# Altium PCB MK66MUC.PcbDoc
Units mil, origin at the board's own origin, x right, y up, seen from the top; angles counter-clockwise.
Board outline 5142.08 x 3058.33 mil, 2 copper layers (Top Layer, Bottom Layer); 103 components, 100 nets, 478 pads, 0 vias.
Unrouted connection lines stored in the file: 267.
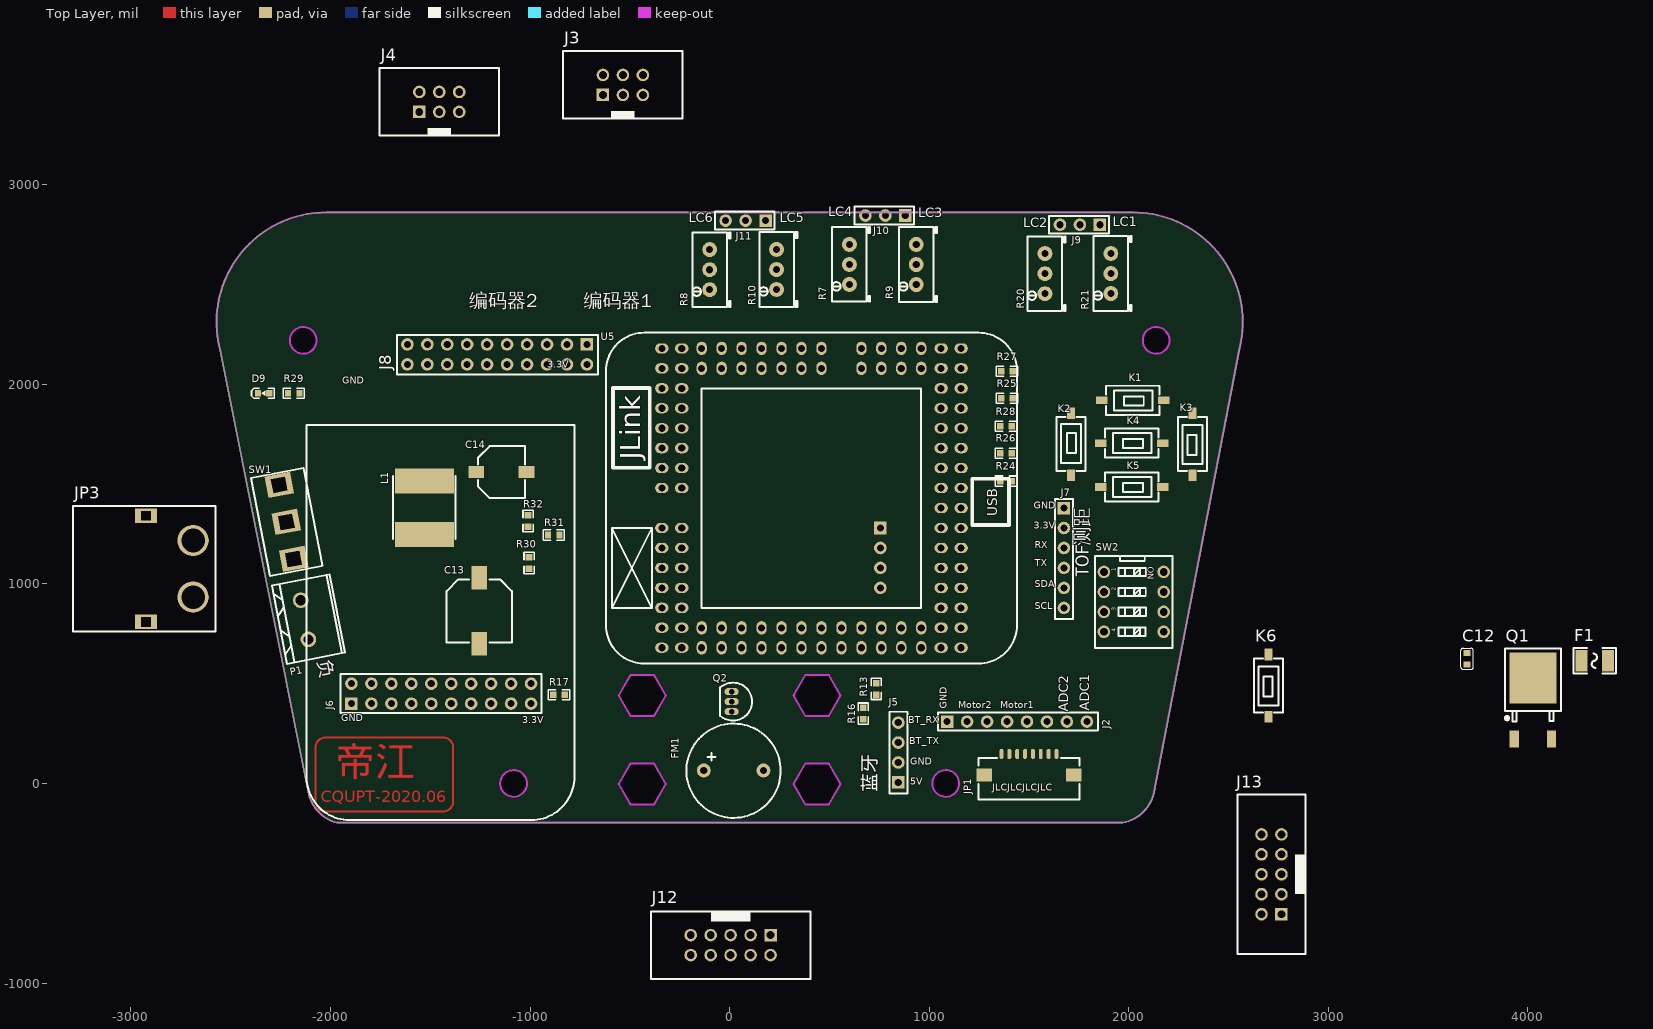
[diagram p0: Top Layer view]
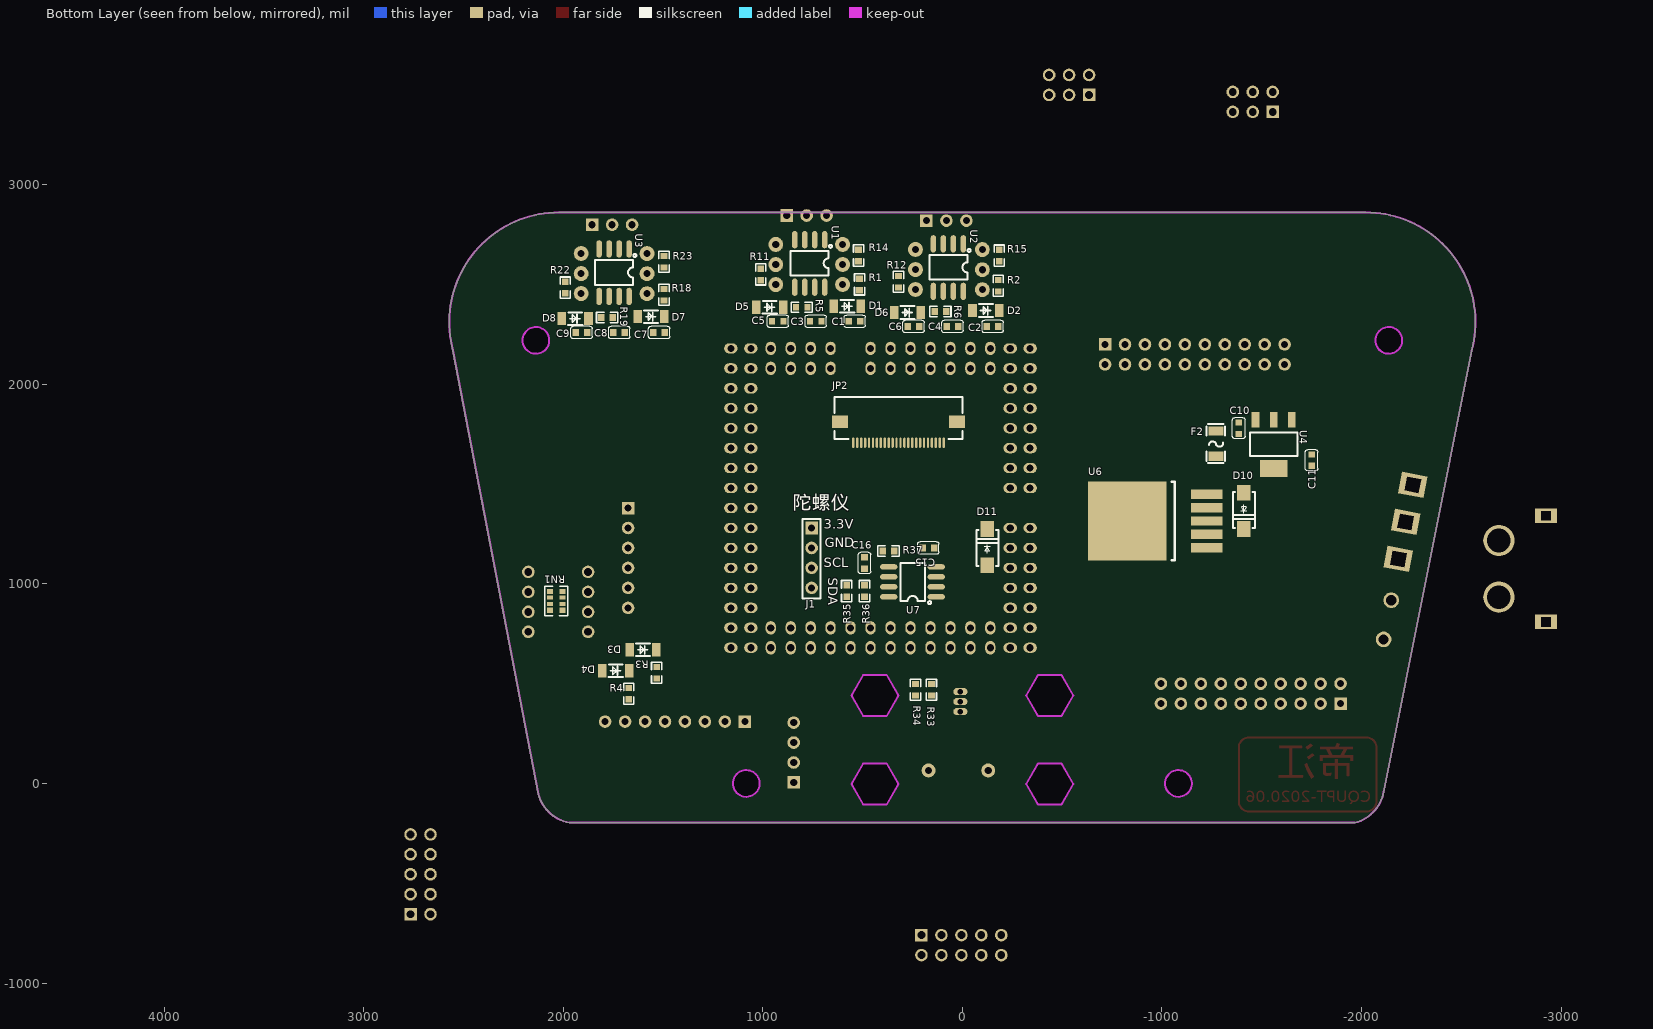
[diagram p1: Bottom Layer view, seen from below]

## Layer stack, top to bottom
Top Solder: solder mask 0.4, Solder Resist, Dk 3.5
Top Layer: signal copper 1.4
Dielectric 1: dielectric 12.6, FR-4, Dk 4.8
Bottom Layer: signal copper 1.4
Bottom Solder: solder mask 0.4, Solder Resist, Dk 3.5

## Board outline
-2111.42,-40.89 -2552.35,2169.13 cw(c-2021.09,2311.48) -2021.09,2861.48 2021.09,2861.48 cw(c2021.09,2311.48) 2552.35,2169.13 2124.46,-53.94 cw(c1934.32,-2.99) 1968.5,-196.85 -1968.5,-196.85 cw(c-1917.56,-6.71)
cut-out: -497.05,-104.82 -556.1,-2.53 -497.05,99.76 -378.94,99.76 -319.88,-2.53 -378.94,-104.82
cut-out: -497.05,-104.82 -556.1,-2.53 -497.05,99.76 -378.94,99.76 -319.88,-2.53 -378.94,-104.82
cut-out: 378.94,338.49 319.88,440.78 378.94,543.06 497.05,543.06 556.1,440.78 497.05,338.49
cut-out: 378.94,-104.82 319.88,-2.53 378.94,99.76 497.05,99.76 556.1,-2.53 497.05,-104.82
cut-out: -497.05,338.49 -556.1,440.78 -497.05,543.06 -378.94,543.06 -319.88,440.78 -378.94,338.49
cut-out: -2136.81,2153.15 cw(c-2136.81,2220.08) -2203.74,2220.08 cw(c-2136.81,2220.08) -2136.81,2287.01 cw(c-2136.81,2220.08) -2069.88,2220.08 cw(c-2136.81,2220.08)
cut-out: 2069.88,2220.08 ccw(c2136.81,2220.08) 2136.81,2153.15 ccw(c2136.81,2220.08) 2203.74,2220.08 ccw(c2136.81,2220.08) 2136.81,2287.01 ccw(c2136.81,2220.08)
cut-out: 1015.75,0 ccw(c1082.68,0) 1082.68,-66.93 ccw(c1082.68,0) 1149.61,0 ccw(c1082.68,0) 1082.68,66.93 ccw(c1082.68,0)
cut-out: -1149.61,0 ccw(c-1082.68,0) -1082.68,-66.93 ccw(c-1082.68,0) -1015.75,0 ccw(c-1082.68,0) -1082.68,66.93 ccw(c-1082.68,0)

## Design rules (kind name [scope] priority, off if disabled: settings)
Clearance [All] p1: gap=10
ComponentClearance [All] p1 off: gap=10 collisioncheckmode=3 verticalgap=10 showdistances=FALSE
Height [All] p1 off: minheight=0 maxheight=1000 prefheight=500
PolygonConnect [All] p1: connectstyle=Direct reliefconductorwidth=10 reliefentries=4 polygonreliefangle="90 Angle" airgapwidth=10
RoutingVias [All] p1: holewidth=28 width=50 viastyle="Through Hole" minholewidth=28 minwidth=50 maxholewidth=28 maxwidth=50
SolderMaskExpansion [All] p1: expansion=4
Width [All] p1: maxlimit=500 minlimit=10 preferedwidth=20
28 further rules are at their usual default settings.

## Components (designator, comment, footprint, x,y, rotation, side; value= is the part's Value field where it differs from the comment)
C1 "22uf" CAP_0603 540,2315.79 r0 bottom
C2 "22uf" CAP_0603 -151.26,2290 r0 bottom
C3 "104" CAP_0603 735,2315.79 r0 bottom
C4 "104" CAP_0603 50,2290 r0 bottom
C5 "22uf" CAP_0603 925,2315.79 r0 bottom
C6 "22uf" CAP_0603 245,2290 r0 bottom
C7 "22uf" CAP_0603 1520,2259.61 r0 bottom
C8 "104" CAP_0603 1720,2259.61 r0 bottom
C9 "22uf" CAP_0603 1908.74,2259.61 r0 bottom
C10 "106" CAP_0603 -1385,1780 r270 bottom
C11 "104" CAP_0603 -1750,1620 r90 bottom
C12 "106" CAP_0603 3695,625 r90 top
C13 "470uF/35V" CAPE_SMD_F_8.4 -1255,865 r90 top
C14 "220uF/25V" CAPE_SMD_D_6.4 -1144.02,1560 r180 top
C15 "104" CAP_0603 170,1180 r180 bottom
C16 "106" CAP_0603 490,1105 r90 bottom
D1 "ZMM3V3" LL-34_L3.5-W1.5-RD 576.93,2390.79 r0 bottom
D2 "ZMM3V3" LL-34_L3.5-W1.5-RD -118.07,2370 r0 bottom
D3 "ZMM3V3" LL-34_L3.5-W1.5-RD 1600,670 r0 bottom
D4 "ZMM3V3" LL-34_L3.5-W1.5-RD 1736.93,565 r0 bottom
D5 "ZMM3V3" LL-34_L3.5-W1.5-RD 965,2385.79 r0 bottom
D6 "ZMM3V3" LL-34_L3.5-W1.5-RD 275,2360 r0 bottom
D7 "ZMM3V3" LL-34_L3.5-W1.5-RD 1560,2339.61 r0 bottom
D8 "ZMM3V3" LL-34_L3.5-W1.5-RD 1940,2329.61 r0 bottom
D9 "LED" LED_0603_B -2335,1955 r0 top
D10 "SS54/5A/40V" DO214_SMA -1410,1275 r90 bottom
D11 "SS54/5A/40V" DO214_SMA -125,1275 r270 bottom
F1 "JK-NSMD100-16V" FUSE_1210 4335,615 r0 top
F2 "JK-NSMD100-16V" F1206 -1270,1702.99 r90 bottom
FM1 "BUZZER" BUZZ-12*7.5 20,65 r0 top
J1 "Header" "Header 2.54X4" 755,1130 r270 bottom
J2 "Header" "Header 2.54X8" 1440,310 r0 top
J3 "Header 2.54_2X3" IDC_6P -535,3500 r0 top
J4 "Header 2.54_2X3" IDC_6P -1455,3415 r0 top
J5 "Header" "Header F 2.54X4" 845,155 r90 top
J6 "Header" "Header F 2.54_2x10" -1445,450 r0 top
J7 "Header" "Header 2.54X6" 1675,1130 r270 top
J8 "Header" "Header F 2.54_2x10" -1165,2150 r180 top
J9 "Header" "Header 2.54X3" 1755,2799.61 r180 top
J10 "Header" "Header 2.54X3" 780,2845.79 r180 top
J11 "Header" "Header 2.54X3" 80,2820 r180 top
J12 "Header 2.54_2X5" IDC_10P 5,-810 r180 top
J13 "Header 2.54_2X5" IDC_10P 2715,-455 r90 top
JP1 "FPC_8pin" FPC_1.0_8P 1500,95 r0 top
JP2 "FPC_24pin" FPC_0.5_24P 320,1760 r0 bottom
JP3 "XT60PW" XT60PW -2688.78,1075.75 r90 top
K1 "TS-Button_2P" SW_SMD_6.1*3.7 2020,1920 r180 top
K2 "TS-Button_2P" SW_SMD_6.1*3.7 1710,1700 r270 top
K3 "TS-Button_2P" SW_SMD_6.1*3.7 2320,1700 r90 top
K4 "TS-Button_2P" SW_SMD_6.1*3.7 2015,1705 r180 top
K5 "TS-Button_2P" SW_SMD_6.1*3.7 2015,1485 r180 top
K6 "TS-Button_2P" SW_SMD_6.1*3.7 2700,490 r90 top
L1 "33uH" IND-SMD_L8.0-W8.0 -1530,1381.93 r270 top
P1 "KF-2P-5.08" KF_2P-5.08 -2130,820 r281 top
Q1 "IRLR7843TRPBF" TO-252-2 4025,375 r0 top
Q2 "2N3906" TO_92A 10,410 r270 top
R1 "100" RES_0603 515,2500.79 r90 bottom
R2 "100" RES_0603 -180,2493.74 r90 bottom
R3 "2k" RES_0603 1531.93,555 r270 bottom
R4 "2k" RES_0603 1671.93,450 r270 bottom
R5 "100" RES_0603 805,2385.79 r180 bottom
R6 "100" RES_0603 110,2365 r180 bottom
R7 "100k" RES_POT-3296W 600,2600.79 r90 top
R8 "100k" RES_POT-3296W -100,2574.61 r90 top
R9 "100k" RES_POT-3296W 935,2600.39 r90 top
R10 "100k" RES_POT-3296W 235,2575.39 r90 top
R11 "510" RES_0603 1010,2550.79 r270 bottom
R12 "510" RES_0603 320,2513.74 r270 bottom
R13 "1k" RES_0603 735,473.74 r270 top
R14 "510" RES_0603 520,2645.79 r270 bottom
R15 "510" RES_0603 -185,2645 r270 bottom
R16 "1k" RES_0603 670,350 r270 top
R17 "120" RES_0603 -855,445 r0 top
R18 "100" RES_0603 1495,2448.35 r90 bottom
R19 "100" RES_0603 1780,2334.61 r180 bottom
R20 "100k" RES_POT-3296W 1580,2554.61 r90 top
R21 "100k" RES_POT-3296W 1910,2555 r90 top
R22 "510" RES_0603 1990,2484.61 r270 bottom
R23 "510" RES_0603 1495,2614.61 r270 bottom
R24 "10k" RES_0603 1385,1515 r180 top
R25 "10k" RES_0603 1390,1930 r180 top
R26 "10k" RES_0603 1385,1655 r180 top
R27 "10k" RES_0603 1390,2065 r180 top
R28 "10k" RES_0603 1385,1790 r180 top
R29 "2k" RES_0603 -2183.74,1955 r0 top
R30 "4.7k" RES_0603 -1005,1105 r90 top
R31 "2k" RES_0603 -881.26,1245 r0 top
R32 "1k" RES_0603 -1010,1315 r90 top
R33 "10k" RES_0603 155,470 r270 bottom
R34 "1k" RES_0603 235,470 r270 bottom
R35 "0Ω" RES_0603 580,963.74 r270 bottom
R36 "240K" RES_0603 490,963.74 r90 bottom
R37 "1Ω" RES_0603 370,1165 r0 bottom
RN1 "10k" RES-ARRAY-SMD_0603-8P-L3.2-W1.6-BL 2035,915 r90 bottom
SW1 "PowerSwitch" SW-TH_K3-1260D-K1 -2221.06,1310.5 r11 top
SW2 "拨码开关4P" VDG/S-04HG-R 2025,910 r270 top
U1 "LMV358IDR" SOIC-8_150MIL 765,2605.79 r270 bottom
U2 "LMV358IDR" SOIC-8_150MIL 70,2585 r270 bottom
U3 "LMV358IDR" SOIC-8_150MIL 1745,2559.61 r270 bottom
U4 "AMS1117-3.3" SOT-223_3 -1560,1700 r90 bottom
U5 "MK66CoreBoard" MK66_MCU -340,1080 r90 top locked
U6 "LM2596S-5.0/TR_C340931" TO-263_5 -890,1315 r0 bottom
U7 "TPS7350QDR" SOIC-8_150MIL 250,1010 r0 bottom

## Footprints (in the part's own frame and the unit in brackets; to place one, negate y for a bottom-side part, rotate by r counter-clockwise, add the part's x,y. Pads: shape width x height; smd on the part's side, far side on the other; paste and mask are expansions set on the pad)
BUZZ-12*7.5 [mil] "外径12mm，脚距7.5mm"
  round 70 hole 35.4: 1(-149.6,0) 2(149.6,0)
  silkscreen extent -237,-237 236,235, body extent -243,-241 229,232, height 339
CAP_0603 [mm]
  rect 0.8x0.85 smd: 1(-0.73,0) 2(0.73,0)
  silkscreen extent -1.36,-0.8 1.34,0.8, body extent -0.8,-0.4 0.8,0.4, height 0.6
CAPE_SMD_D_6.4 [mm] "6.3X6.6X5.4"
  rect 2x1.5 smd: 1(3.2,0) 2(-3.2,0)
  silkscreen extent -3,-3.3 3,3.3, body extent -3.5,-3.3 3.5,3.3, height 5.4
CAPE_SMD_F_8.4 [mm] "8X8.3X10.2"
  rect 3x2 smd: 1(4.2,0) 2(-4.2,0)
  silkscreen extent -4,-4.15 4,4.15, body extent -4.95,-4.15 4.95,4.15, height 10.2
DO214_SMA [mm] "贴片二极管"
  rect 2x1.75 smd: 1(4.6,0) 2(0,0)
  silkscreen extent 0.11,-1.4 4.71,1.4, body extent -0.34,-1.4 5.16,1.4, height 2.6
F1206 [mm]
  rect 1.2x1.9 smd: 1(-1.6,0) 2(1.6,0)
  silkscreen extent -2.5,-1.2 2.5,1.2
FPC_0.5_24P [mm]
  oval 0.3x1.3 smd: 1(-5.75,1.34) 2(-5.25,1.34) 3(-4.75,1.34) 4(-4.25,1.34) 5(-3.75,1.34) 6(-3.25,1.34) 7(-2.75,1.34) 8(-2.25,1.34) 9(-1.75,1.34) 10(-1.25,1.34) 11(-0.75,1.34) 12(-0.25,1.34) 13(0.25,1.34) 14(0.75,1.34) 15(1.25,1.34) 16(1.75,1.34) 17(2.25,1.34) 18(2.75,1.34) 19(3.25,1.34) 20(3.75,1.34) 21(4.25,1.34) 22(4.75,1.34) 23(5.25,1.34) 24(5.75,1.34)
  rect 2x1.6 smd: 25(-7.45,-1.34) 26(7.45,-1.34)
  silkscreen extent -8.15,-4.46 8.15,0.84, body extent -8.05,-4.8 8.05,1.7, height 2.2
FPC_1.0_8P [mm]
  oval 0.5x1.3 smd: 1(-3.5,1.34) 2(-2.5,1.34) 3(-1.5,1.34) 4(-0.5,1.34) 5(0.5,1.34) 6(1.5,1.34) 7(2.5,1.34) 8(3.5,1.34)
  rect 2x1.6 smd: 9(-5.7,-1.34) 10(5.7,-1.34)
  silkscreen extent -6.4,-4.46 6.4,0.84, body extent -6.3,-4.86 6.3,1.64, height 2.2
FUSE_1210 [mm]
  rect 1.52x2.7 smd: 1(-1.71,0) 2(1.71,0)
  silkscreen extent -2.73,-1.6 2.73,1.6, body extent -1.61,-1.28 1.61,1.3, height 0.67
"Header 2.54X3" [mm]
  rect 1.6x1.6 hole 0.9: 1(-2.54,0)
  round 1.6 hole 0.9: 2(0,0) 3(2.54,0)
  silkscreen extent -3.68,-1.14 3.9,1.14, body extent -3.68,-1.23 3.94,1.27, height 8.3
"Header 2.54X4" [mm]
  rect 1.6x1.6 hole 0.9: 1(-3.81,0)
  round 1.6 hole 0.9: 2(-1.27,0) 3(1.27,0) 4(3.81,0)
  silkscreen extent -4.95,-1.14 5.19,1.14, body extent -4.95,-1.23 5.21,1.27, height 8.3
"Header 2.54X6" [mm]
  rect 1.6x1.6 hole 0.9: 1(-6.35,0)
  round 1.6 hole 0.9: 2(-3.81,0) 3(-1.27,0) 4(1.27,0) 5(3.81,0) 6(6.35,0)
  silkscreen extent -7.49,-1.14 7.75,1.14, body extent -7.49,-1.23 7.75,1.27, height 8.3
"Header 2.54X8" [mm]
  rect 1.6x1.6 hole 0.9: 1(-8.89,0)
  round 1.6 hole 0.9: 2(-6.35,0) 3(-3.81,0) 4(-1.27,0) 5(1.27,0) 6(3.81,0) 7(6.35,0) 8(8.89,0)
  silkscreen extent -10.03,-1.14 10.31,1.14, body extent -10.03,-1.23 10.29,1.27, height 8.3
"Header F 2.54_2x10" [mm]
  rect 1.6x1.6 hole 0.9: 1(-11.43,-1.27)
  round 1.6 hole 0.9: 2(-8.89,-1.27) 3(-6.35,-1.27) 4(-3.81,-1.27) 5(-1.27,-1.27) 6(1.27,-1.27) 7(3.81,-1.27) 8(6.35,-1.27) 9(8.89,-1.27) 10(11.43,-1.27) 11(11.43,1.27) 12(8.89,1.27) 13(6.35,1.27) 14(3.81,1.27) 15(1.27,1.27) 16(-1.27,1.27) 17(-3.81,1.27) 18(-6.35,1.27) 19(-8.89,1.27) 20(-11.43,1.27)
  silkscreen extent -12.83,-2.47 12.77,2.53, body extent -12.85,-2.52 12.8,2.48, height 8.6
"Header F 2.54X4" [mm]
  rect 1.6x1.6 hole 0.9: 1(-3.81,0)
  round 1.6 hole 0.9: 2(-1.27,0) 3(1.27,0) 4(3.81,0)
  silkscreen extent -5.2,-1.14 5.19,1.14, body extent -5.21,-1.25 5.21,1.25, height 8.6
IDC_6P [mm]
  rect 1.6x1.6 hole 1: 1(-2.54,-1.27)
  round 1.6 hole 1: 2(0,-1.27) 3(2.54,-1.27) 4(2.54,1.27) 5(0,1.27) 6(-2.54,1.27)
  silkscreen extent -7.6,-4.3 7.6,4.3, body extent -7.62,-4.45 7.62,4.45, height 8.93
IDC_10P [mm]
  rect 1.6x1.6 hole 1: 1(-5.08,-1.27)
  round 1.6 hole 1: 2(-2.54,-1.27) 3(0,-1.27) 4(2.54,-1.27) 5(5.08,-1.27) 6(5.08,1.27) 7(2.54,1.27) 8(0,1.27) 9(-2.54,1.27) 10(-5.08,1.27)
  silkscreen extent -10.17,-4.3 10.16,4.3, body extent -10.26,-4.58 10.24,4.72, height 9.1
IND-SMD_L8.0-W8.0 [mm]
  rect 3.2x7.5 smd: 1(-3.4,0) 2(3.4,0)
  silkscreen extent -4,-4 4,4
KF_2P-5.08 [mm] "WJ500V-5.08-2P"
  round 2 hole 1.3: 1(-2.54,0) 2(2.54,0)
  silkscreen extent -5.08,-3.25 5.08,4.24, body extent -5.6,-2.91 5,4.69, height 10.1
LED_0603_B [mm]
  rect 0.8x0.85 smd: A(0.73,0) C(-0.73,0)
  silkscreen extent -1.55,-0.65 1.35,0.65, body extent -0.81,-0.4 0.81,0.4, height 0.6
LL-34_L3.5-W1.5-RD [mm]
  rect 1.1x1.7 smd: 1(-1.7,0) 2(1.7,0)
  silkscreen extent -0.9,-0.8 0.9,0.8
MK66_MCU [mm]
  oval 1.7x1.3 hole 0.9: 1(-10.16,-5.08) 2(-7.62,-5.08) 3(-10.16,-7.62) 4(-7.62,-7.62) 5(-10.16,-10.16) 6(-7.62,-10.16) 7(-10.16,-12.7) 8(-7.62,-12.7) 9(-10.16,-15.24) 10(-7.62,-15.24) 11(-10.16,-17.78) 12(-7.62,-17.78) 13(-10.16,-20.32) 14(-7.62,-20.32) 15(-10.16,-22.86) 16(-7.62,-22.86) 17(-10.16,-25.4) 18(-7.62,-25.4) 19(-10.16,-27.94) 20(-7.62,-27.94) 21(-10.16,-30.48) 22(-7.62,-30.48) 23(-10.16,-33.02) 24(-7.62,-33.02) 57(25.4,-5.08) 58(27.94,-5.08) 59(25.4,-7.62) 60(27.94,-7.62) 61(25.4,-10.16) 62(27.94,-10.16) 63(25.4,-12.7) 64(27.94,-12.7) 65(25.4,-15.24) 66(27.94,-15.24) 67(25.4,-17.78) 68(27.94,-17.78) 69(25.4,-20.32) 70(27.94,-20.32) 73(25.4,-25.4) 74(27.94,-25.4) 75(25.4,-27.94) 76(27.94,-27.94) 77(25.4,-30.48) 78(27.94,-30.48) 79(25.4,-33.02) 80(27.94,-33.02)
  oval 1.3x1.7 hole 0.9: 25(-10.16,-38.1) 26(-10.16,-35.56) 27(-7.62,-38.1) 28(-7.62,-35.56) 29(-5.08,-38.1) 30(-5.08,-35.56) 31(-2.54,-38.1) 32(-2.54,-35.56) 33(0,-38.1) 34(0,-35.56) 35(2.54,-38.1) 36(2.54,-35.56) 37(5.08,-38.1) 38(5.08,-35.56) 39(7.62,-38.1) 40(7.62,-35.56) 41(10.16,-38.1) 42(10.16,-35.56) 43(12.7,-38.1) 44(12.7,-35.56) 45(15.24,-38.1) 46(15.24,-35.56) 47(17.78,-38.1) 48(17.78,-35.56) 49(20.32,-38.1) 50(20.32,-35.56) 51(22.86,-38.1) 52(22.86,-35.56) 53(25.4,-38.1) 54(25.4,-35.56) 55(27.94,-38.1) 56(27.94,-35.56) 81(-10.16,-2.54) 82(-10.16,0) 83(-7.62,-2.54) 84(-7.62,0) 85(-5.08,-2.54) 86(-5.08,0) 87(-2.54,-2.54) 88(-2.54,0) 89(0,-2.54) 90(0,0) 91(2.54,-2.54) 92(2.54,0) 93(5.08,-2.54) 94(5.08,0) 97(10.16,-2.54) 98(10.16,0) 99(12.7,-2.54) 100(12.7,0) 101(15.24,-2.54) 102(15.24,0) 103(17.78,-2.54) 104(17.78,0) 105(20.32,-2.54) 106(20.32,0) 107(22.86,-2.54) 108(22.86,0) 109(25.4,-2.54) 110(25.4,0) 111(27.94,-2.54) 112(27.94,0)
  round 0 all layers, no hole: 71(25.4,-22.86) 72(27.94,-22.86) 95(7.62,-2.54) 96(7.62,0)
  silkscreen extent -12.16,-45.21 29.94,7.11
RES-ARRAY-SMD_0603-8P-L3.2-W1.6-BL [mm]
  rect 0.65x0.8 smd: 1(-1.2,-0.8) 4(1.2,-0.8) 5(1.2,0.8) 8(-1.2,0.8)
  rect 0.5x0.8 smd: 2(-0.4,-0.8) 3(0.4,-0.8) 6(0.4,0.8) 7(-0.4,0.8)
  silkscreen extent -1.87,-1.45 1.87,1.47
RES_0603 [mm]
  rect 0.8x0.85 smd: 1(-0.73,0) 2(0.73,0)
  silkscreen extent -1.35,-0.65 1.35,0.65, body extent -0.8,-0.4 0.8,0.4, height 0.38
RES_POT-3296W [mm] "RES-ADJ-TH_3P-L9.5-W4.9-P2.50-L_3296W"
  round 1.9 hole 0.9: 1(-2.55,0) 2(-0.01,0) 3(2.55,0)
  silkscreen extent -4.75,-2.64 4.75,2.2, body extent -4.75,-2.59 4.75,2.41, height 11.5
SOIC-8_150MIL [mm]
  oval 2.2x0.7 smd: 1(-3.023,1.905) 2(-3.023,0.635) 3(-3.023,-0.635) 4(-3.023,-1.905) 5(3.023,-1.905) 6(3.023,-0.635) 7(3.023,0.635) 8(3.023,1.905)
  silkscreen extent -2.37,-2.41 1.55,2.83, body extent -3.03,-2.57 3.03,2.56, height 1.95
SOT-223_3 [mm]
  rect 2x1 smd: 1(3.1,-2.3) 2(3.1,0) 3(3.1,2.3)
  rect 2.2x3.5 smd: 4(-3.1,0)
  silkscreen extent -1.5,-3 1.5,3, body extent -3.5,-3.25 3.5,3.25, height 1.64
SW-TH_K3-1260D-K1 [mm]
  rect 3.3x2.8 hole 1.8 square: 1(0,4.8) 2(0,0) 3(0,-4.8)
  silkscreen extent -3.35,-6.35 3.44,6.35
SW_SMD_6.1*3.7 [mm] "SW-SMD_L6.1-W3.7-LS7.9"
  rect 1.5x1 smd: A(-3.95,0) B(3.95,0)
  silkscreen extent -3.43,-1.85 3.43,1.85, body extent -4,-1.8 4,1.9, height 2.6
TO-252-2 [mil]
  rect 47.24x86.62 smd: 1(-93,-152.6) 3(93,-152.4)
  rect 236.22x255.9 smd: 4(0,152.6)
  silkscreen extent -141,-63 141,301, body extent -129,-160 129,231, height 94
TO-263_5 [mm]
  rect 4x1.2 smd: 1(-8.5,3.4) 2(-8.5,1.7) 3(-8.5,0) 4(-8.5,-1.7) 5(-8.5,-3.4)
  rect 10x10 smd: 6(1.6,0)
  silkscreen extent -4.41,-5 -4.03,5, body extent -9.4,-5 6.27,5, height 4.78
TO_92A [mm]
  oval 0.9x1.8 hole 0.7: 1(-1.27,0) 2(0,0) 3(1.27,0)
  silkscreen extent -2.41,-1.5 2.41,2.6, body extent -2.42,-1.49 2.38,2.44, height 7
VDG/S-04HG-R [mm]
  round 1.6 hole 1: 1(-3.81,-3.81) 2(-1.27,-3.81) 3(1.27,-3.81) 4(3.81,-3.81) 5(3.81,3.81) 6(1.27,3.81) 7(-1.27,3.81) 8(-3.81,3.81)
  silkscreen extent -5.84,-4.96 5.89,4.95, body extent -5.48,-4.82 5.68,5.08, height 7
XT60PW [mm]
  round 4 hole 3: 1(-3.6,0) 2(3.6,0)
  rect 1.8x2.8 hole 1.2 square: H(-6.75,6) H(6.75,6)
  silkscreen extent -8,-2.84 8,15.26

## Part data
C1 C2 C3 C4 C5 C6 C7 C8 C9 C10 C11 C12 C15 C16: library part CAP_0603
C13 C14: library part CAP_E_SMD, "贴片电解电容"
D9: library part LED_0603, "发光LED"
D10 D11: library part SS54
FM1: "蜂鸣器"
J1 J5: library part "Header 2.54_4"
J2: library part "Header 2.54_8"
J6 J8: library part "Header 2.54_2X10"
J7: library part "Header 2.54_6"
J9 J10 J11: library part "Header 2.54_3"
K1 K2 K3 K4 K5 K6: "贴片按键 3*6*2.5"
L1: library part Inductor
P1: "端子2P"
Q1: "MOS管"
Q2: "三极管PNP"
R1 R2 R3 R4 R5 R6 R11 R12 R13 R14 R15 R16 R17 R18 R19 R22 R23 R24 R25 R26 R27 R28 R29 R30 R31 R32 R33 R34 R35 R36 R37: library part RES_0603
R7 R8 R9 R10 R20 R21: library part RES_POT-3296W, "可调电阻3296W"
RN1: library part RESW4
SW2: "DIP_4PX2*2.54"

## Nets (pads, with @x,y where several pads share a name; then routed paths per layer and width w, separated by ;. In a path a pad name is that pad's centre, name@x,y a point inside that pad or via, vN(x,y) a via of type N, cw(c..) or ccw(c..) an arc to the next point about the centre after c; other vN are vias at no path point)
7.2V: C12.1 C13.1 D11.1 F1.1 R29.2 R30.1 U6.1
ADC_BAT: R31.2 U5.94
ADC_MOTOR1: D4.1 R4.1 U5.37
ADC_MOTOR1_IN: J2.8 JP1.8 R4.2
ADC_MOTOR2: D3.1 R3.1 U5.35
ADC_MOTOR2_IN: J2.7 JP1.7 R3.2
ADC_OUT1: C9.1 D8.1 R19.1 U5.55
ADC_OUT2: C7.1 D7.1 R18.1 U5.56
ADC_OUT3: C5.1 D5.1 R5.1 U5.73
ADC_OUT4: C1.1 D1.1 R1.1 U5.74
ADC_OUT5: C6.1 D6.1 R6.1 U5.67
ADC_OUT6: C2.1 D2.1 R2.1 U5.57
BT_RX: R13.1 U5.19
BT_TX: R16.1 U5.18
BUZZ: R34.1 U5.11
CAMERAL_D0: J8.1 JP2.11 U5.104
CAMERAL_D1: J8.2 JP2.12 U5.105
CAMERAL_D2: J8.3 JP2.13 U5.102
CAMERAL_D3: J8.4 JP2.14 U5.103
CAMERAL_D4: J8.5 JP2.15 U5.100
CAMERAL_D5: J8.6 JP2.16 U5.101
CAMERAL_D6: J8.7 JP2.17 U5.99
CAMERAL_D7: J8.8 JP2.18 U5.98
CAMERAL_HREF: J8.12 JP2.9 U5.107
CAMERAL_PCLK: J8.17 JP2.4 U5.110
CAMERAL_SCL: J8.9 JP2.19 U5.108
CAMERAL_SDA: J8.10 JP2.20 U5.112
CAMERAL_VSYNC: J8.15 JP2.6 U5.106
DC_POWERIN: JP3.1 P1.1 Q1.1 SW1.3
ENCODE1_DIR: J3.5 U5.65
ENCODE1_LSB: J3.2 U5.66
ENCODE2_DIR: J4.5 U5.63
ENCODE2_LSB: J4.2 U5.64
GND: C1.2 C2.2 C3.2 C4.2 C5.2 C6.2 C7.2 C8.2 C9.2 C10.2 C11.2 C12.2 C13.2 C14.2 C15.1 D1.2 D2.2 D3.2 D4.2 D5.2 D6.2 D7.2 D8.2 D9.C D10.1 FM1.2 J1.2 J2.1 J3.1 J4.1 J5.2 J6.1 J7.1 J8.11 J9.2 J10.2 J11.2 JP1.1 JP2.21 K1.A K2.A K3.A K4.A K5.A Q1.3 R11.1 R12.1 R14.2 R15.2 R22.1 R23.2 R32.2 R37.1 SW2.5 SW2.6 SW2.7 SW2.8 U1.4 U2.4 U3.4 U4.1 U5.23 U6.3 U6.5 U6.6 U7.1 U7.2
IIC_SCL: J1.3 J7.6 U5.28
IIC_SDA: J1.4 J7.5 U5.25
KEY1: K1.B R25.1 U5.45
KEY2: K2.B R26.1 U5.43
KEY3: K3.B R27.1 U5.46
KEY4: K4.B R28.1 U5.44
KEY5: K5.B R24.1 U5.41
LC1: J9.1 U3.5
LC2: J9.3 U3.3
LC3: J10.1 U1.5
LC4: J10.3 U1.3
LC5: J11.1 U2.5
LC6: J11.3 U2.3
LCD_CS: J6.9 U5.7
LCD_D0: J6.11 U5.85
LCD_D1: J6.12 U5.84
LCD_D2: J6.13 U5.82
LCD_D3: J6.14 U5.83
LCD_D4: J6.15 U5.81
LCD_D5: J6.16 U5.1
LCD_D6: J6.17 U5.2
LCD_D7: J6.18 U5.3
LCD_RD: J6.2 U5.6
LCD_RS: J6.5 U5.8
LCD_RST: J6.8 U5.9
LCD_WR: J6.7 U5.5
NetC14_1: C14.1 F2.1 L1.1 U6.4
NetC15_2: C15.2 D11.2 U7.3 U7.4
NetC16_1: C16.1 R35.1 R36.2 U7.5 U7.6 U7.7
NetC16_2: C16.2 R37.2
NetD9_A: D9.A R29.1
NetD10_2: D10.2 L1.2 U6.2
NetF1_2: F1.2 SW1.2
NetFM1_1: FM1.1 Q2.3
NetJ5_3: J5.3 R16.2
NetJ5_4: J5.4 R13.2
NetJ6_10: J6.10 R17.1
NetQ2_2: Q2.2 R33.2 R34.2
NetR1_2: R1.2 R7.2 U1.1
NetR2_2: R2.2 R8.2 U2.1
NetR5_2: R5.2 R9.2 U1.7
NetR6_2: R6.2 R10.2 U2.7
NetR7_3: R7.3 R14.1 U1.2
NetR8_3: R8.3 R15.1 U2.2
NetR9_1: R9.1 R11.2 U1.6
NetR10_1: R10.1 R12.2 U2.6
NetR18_2: R18.2 R20.2 U3.1
NetR19_2: R19.2 R21.2 U3.7
NetR20_3: R20.3 R23.1 U3.2
NetR21_1: R21.1 R22.2 U3.6
NetR30_2: R30.2 R31.1 R32.1
NetR36_1: R36.1 U7.8
PWM_MOTOR1+: J2.5 JP1.5 U5.26
PWM_MOTOR1-: J2.4 JP1.4 U5.22
PWM_MOTOR2+: J2.3 JP1.3 U5.21
PWM_MOTOR2-: J2.2 JP1.2 U5.20
SW1: RN1.4 SW2.1 U5.33
SW2: RN1.3 SW2.2 U5.31
SW3: RN1.2 SW2.3 U5.29
SW4: RN1.1 SW2.4 U5.27
TOF_RXD: J7.3 U5.38
TOF_TXD: J7.4 U5.39
VCC5V_MCU: R35.2 U5.24
VCC_3.3V: C11.1 J1.1 J7.2 J8.20 JP2.22 Q2.1 R17.2 R24.2 R25.2 R26.2 R27.2 R28.2 R33.1 RN1.5 RN1.6 RN1.7 RN1.8 U4.2 U4.4
VCC_5V: C3.1 C4.1 C8.1 C10.1 F2.2 J3.6 J4.6 J5.1 U1.8 U2.8 U3.8 U4.3
VEE: JP3.2 P1.2 Q1.4
pads on no net: J2.6 J3.3 J3.4 J4.3 J4.4 J6.3 J6.4 J6.6 J6.19 J6.20 J8.13 J8.14 J8.16 J8.18 J8.19 J12.1 J12.2 J12.3 J12.4 J12.5 J12.6 J12.7 J12.8 J12.9 J12.10 J13.1 J13.2 J13.3 J13.4 J13.5 J13.6 J13.7 J13.8 J13.9 J13.10 JP1.6 JP1.9 JP1.10 JP2.1 JP2.2 JP2.3 JP2.5 JP2.7 JP2.8 JP2.10 JP2.23 JP2.24 JP2.25 JP2.26 JP3.H K6.A K6.B R7.1 R8.1 R9.3 R10.3 R20.1 R21.3 SW1.1 U5.4 U5.10 U5.12 U5.13 U5.14 U5.15 U5.16 U5.17 U5.30 U5.32 U5.34 U5.36 U5.40 U5.42 U5.47 U5.48 U5.49 U5.50 U5.51 U5.52 U5.53 U5.54 U5.58 U5.59 U5.60 U5.61 U5.62 U5.68 U5.69 U5.70 U5.71 U5.72 U5.75 U5.76 U5.77 U5.78 U5.79 U5.80 U5.86 U5.87 U5.88 U5.89 U5.90 U5.91 U5.92 U5.93 U5.95 U5.96 U5.97 U5.109 U5.111
copper on no net: | length 2034.2
  Top Layer w10: -2075,-90 ccw(c-2025,-90) -2025,-140 -1435,-140 ccw(c-1435,-90) -1385,-90 -1385,180 ccw(c-1435,180) -1435,230 -2025,230 ccw(c-2025,180) -2075,180 -2075,-90

## Keep-outs
Keep-Out Layer:
  circle w10: c2136.81,2220.08 r66.93
  circle w10: c-2136.81,2220.08 r66.93
  circle w10: c1082.68,0 r66.93
  circle w10: c-1082.68,0 r66.93
  lines w10: -2552.35,2169.13 cw(c-2021.09,2311.48) -2021.09,2861.48 2021.09,2861.48 cw(c2021.09,2311.48) 2552.35,2169.13 2124.46,-53.94 cw(c1934.32,-2.99) 1968.5,-196.85 -1968.5,-196.85 cw(c-1917.56,-6.71) -2111.42,-40.89 -2552.35,2169.13 ; -556.1,-2.53 -497.05,99.76 -378.94,99.76 -319.88,-2.53 -378.94,-104.82 -497.05,-104.82 -556.1,-2.53 ; -556.1,440.78 -497.05,543.06 -378.94,543.06 -319.88,440.78 -378.94,338.49 -497.05,338.49 -556.1,440.78 ; 319.88,-2.53 378.94,99.76 497.05,99.76 556.1,-2.53 497.05,-104.82 378.94,-104.82 319.88,-2.53 ; 319.88,440.78 378.94,543.06 497.05,543.06 556.1,440.78 497.05,338.49 378.94,338.49 319.88,440.78

## Other copper
Top Layer:
  text "帝江" at -1975,-10 h250
  text "CQUPT-2020.06" at -2050,-115 h100

## Silkscreen, mask and mechanical layers (free items; w line width, h text height)
Top Overlay:
  lines w10: -2120,33.19 ccw(c-1903.46,33.19) -1903.46,-183.35 -994.41,-183.35 ccw(c-994.41,33.19) -777.87,33.19 -777.87,1795 -2120,1795 -2120,33.19
  text "LC4" at 495,2825.79 h80
  text "LC3" at 945,2820.79 h80
  text "LC6" at -205,2795 h80
  text "LC5" at 250,2795 h80
  text "LC1" at 1920,2774.61 h80
  text "LC2" at 1470,2769.61 h80
  text "编码器2" at -1305,2360 h120
  text "编码器1" at -730,2360 h120
  text "3.3V" at -915,2070 h60
  text "GND" at -1940,1990 h60
  text "GND" at 1525,1365 h60
  text "3.3V" at 1525,1265 h60
  text "RX" at 1530,1165 h60
  text "TX" at 1530,1075 h60
  text "TOF测距" at 1825,1035 h120 r90
  text "SDA" at 1530,970 h60
  text "SCL" at 1530,860 h60
  text "负" at -2090,610 h120 r281
  text "GND" at 1100,375 h60 r90
  text "Motor2" at 1145,365 h60
  text "Motor1" at 1355,365 h60
  text "ADC1" at 1820,365 h80 r90
  text "ADC2" at 1715,360 h80 r90
  text "GND" at -1945,300 h60
  text "3.3V" at -1040,290 h60
  text "BT_RX" at 895,290 h60
  text "BT_TX" at 900,185 h60
  text "GND" at 905,80 h60
  text "5V" at 905,-20 h60
  text "蓝牙" at 760,-45 h120 r90
  text "JLCJLCJLCJLC" at 1315,-50 h60
Bottom Overlay:
  text "陀螺仪" at 850,1350 h120
  text "3.3V" at 695,1260 h80
  text "GND" at 690,1165 h80
  text "SCL" at 695,1065 h80
  text "SDA" at 690,1030 h80 r90
Top Paste:
  lines w10: -2020,230 -2025,230 ; -2025,230 ccw(c-2025,180) -2075,180 -2075,-90 ccw(c-2025,-90) -2025,-140 -1435,-140 ccw(c-1435,-90) -1385,-90 -1385,180 ccw(c-1435,180) -1435,230 -2025,230
  text "帝江" at -1975,-10 h250
  text "CQUPT-2020.06" at -2050,-115 h100
Top Solder:
  lines w10: -1895,230 -1435,230 cw(c-1435,180) -1385,180 -1385,-90 cw(c-1435,-90) -1435,-140 -2025,-140 cw(c-2025,-90) -2075,-90 -2075,180 cw(c-2025,180) -2025,230 -1880,230
  text "帝江" at -1975,-10 h250
  text "CQUPT-2020.06" at -2050,-115 h100

## Text inside footprints (layer, text, board x,y; h text height)
SW2: Top Overlay "ON" at 2095.25,1086 h31.5 r270; Top Overlay "1" at 1935.64,1063.8 h19.68 r90; Top Overlay "2" at 1935.84,966 h19.68 r90; Top Overlay "3" at 1935.34,864.9 h19.68 r90; Top Overlay "4" at 1935,760 h19.68 r90
U5: Top Overlay "JLink" at -448.98,1621.81 h100 r90; Top Overlay "USB" at 1339.83,1339.23 h50 r90